# Altium PCB TC264Main.PcbDoc (continued)
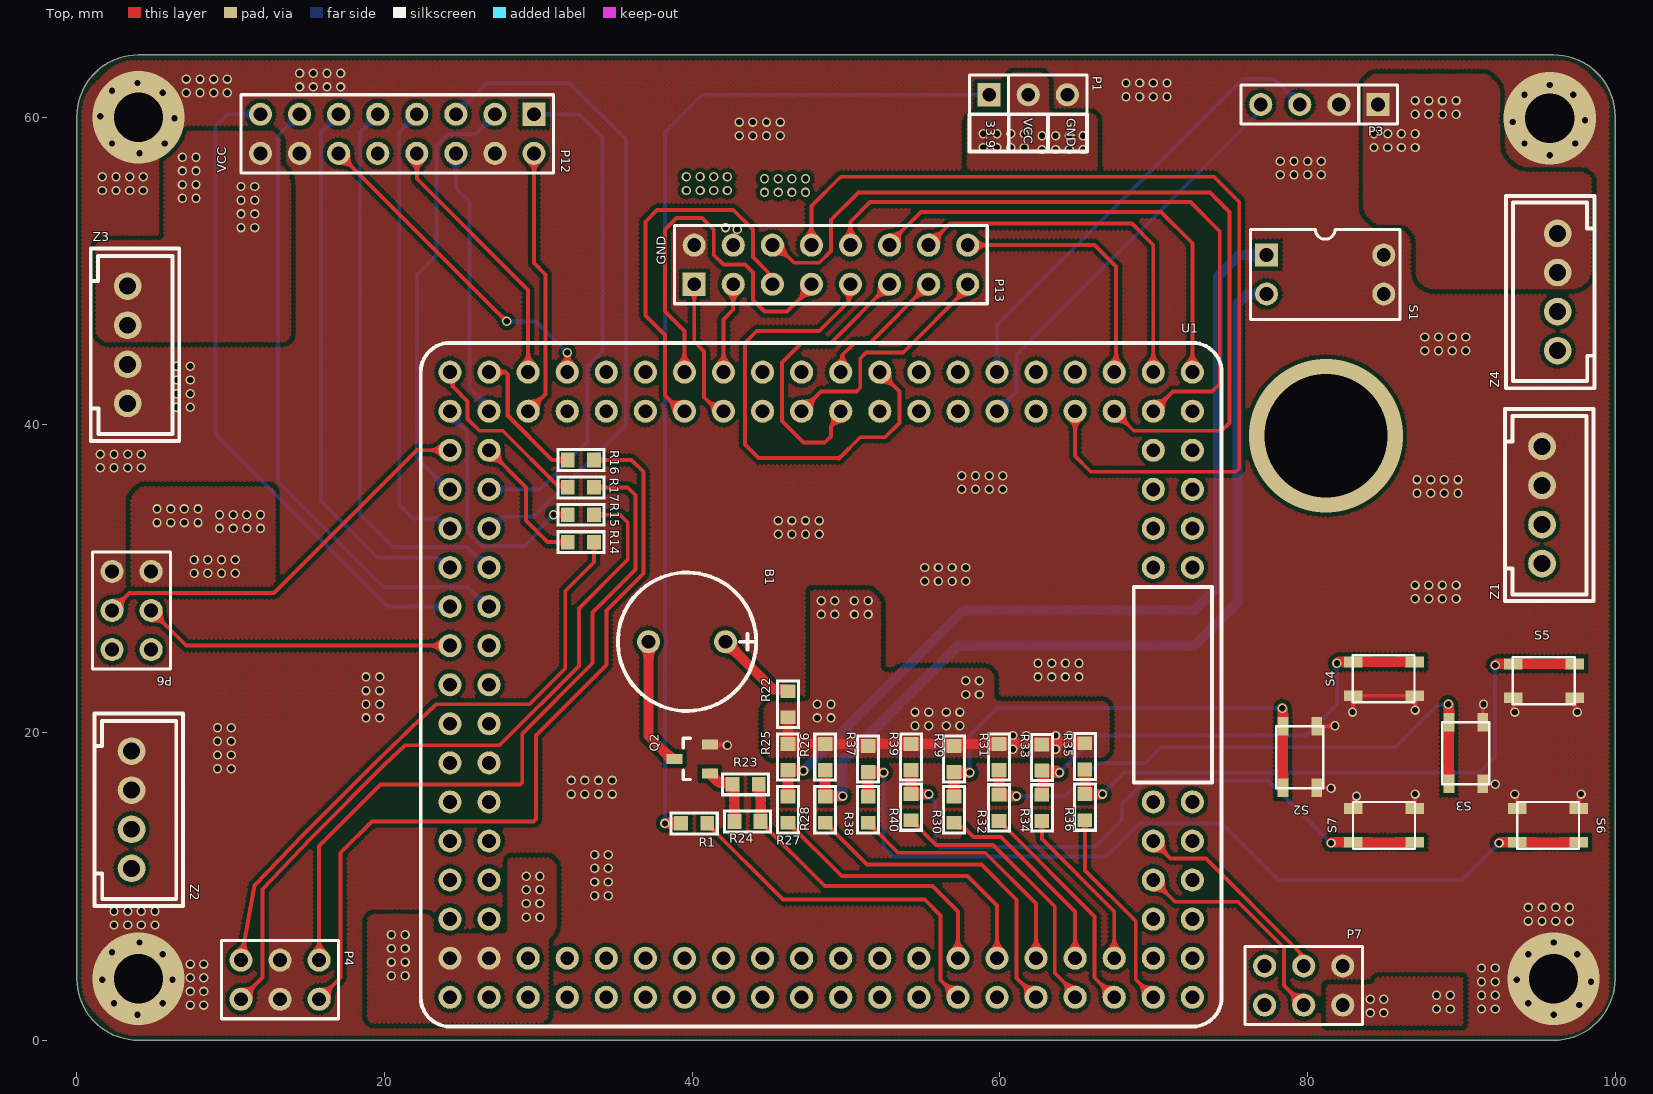
[diagram p0: Top view]
## Nets (pads, with @x,y where several pads share a name; then routed paths per layer and width w, separated by ;. In a path a pad name is that pad's centre, name@x,y a point inside that pad or via, vN(x,y) a via of type N, cw(c..) or ccw(c..) an arc to the next point about the centre after c; other vN are vias at no path point) (continued)
3V3_CAM: P12.16 Z3.1 Z3.2
  other v1: 10.668,52.832 11.557,52.832 10.668,53.721 11.557,53.721 10.668,54.61 11.557,54.61 6.858,54.737 7.747,54.737 10.668,55.499 11.557,55.499 6.858,55.626 7.747,55.626 6.858,56.515 7.747,56.515 6.858,57.404 7.747,57.404
3V3_MCU: U1.2 U1.4 Z2.3 Z2.4
  other v1: 20.447,4.191 21.336,4.191 20.447,5.08 21.336,5.08 20.447,5.969 21.336,5.969 20.447,6.858 21.336,6.858 29.21,8.001 30.099,8.001 29.21,8.89 30.099,8.89 29.21,9.779 30.099,9.779 29.21,10.668 30.099,10.668
5V: P3.1 Z4.3 Z4.4
  other v1: 84.328,58.039 85.217,58.039 86.106,58.039 86.995,58.039 84.328,58.928 85.217,58.928 86.106,58.928 86.995,58.928 86.995,60.198 87.884,60.198 88.773,60.198 89.662,60.198 86.995,61.087 87.884,61.087 88.773,61.087 89.662,61.087
5V_Ser: P1.2 Z4.1 Z4.2
  other v1: 62.738,57.912 63.627,57.912 64.516,57.912 65.405,57.912 58.928,58.039 59.817,58.039 60.706,58.039 61.595,58.039 62.738,58.801 63.627,58.801 64.516,58.801 65.405,58.801 58.928,58.928 59.817,58.928 60.706,58.928 61.595,58.928
10.2: U1.86
10.5: U1.88
10.6: U1.89
11.9: P13.1 U1.81 | length 9.3
  Top w0.254: P13.1 40.132,45.408 40.767,44.773 40.767,41.805 41.08,41.492 41.102,41.492 41.7,40.894 U1.81
11.10: P13.3 U1.82 | length 6
  Top w0.254: U1.82 42.037,46.863 42.672,47.498 P13.3
11.11: P13.5 U1.83 | length 25.4
  Top w0.254: U1.83 39.243,40.894 38.227,41.91 38.227,45.847 36.957,47.117 36.957,53.213 37.719,53.975 42.672,53.975 43.942,52.705 43.942,50.927 44.974,49.895 44.974,49.387 P13.5
11.12: P13.7 U1.84 | length 25
  Top w0.254: U1.84 39.497,46.101 38.227,47.371 38.227,52.705 38.989,53.467 40.64,53.467 41.402,52.705 41.402,51.054 42.037,50.419 43.434,50.419 43.942,49.911 43.942,48.133 44.704,47.371 46.17,47.371 47.752,48.953 P13.7
13.0: P13.9 U1.74 | length 30.8
  Top w0.254: P13.9 50.177,49.034 50.177,48.018 48.26,46.101 44.196,46.101 43.434,45.339 43.434,38.735 44.323,37.846 49.53,37.846 49.552,37.824 50.927,39.199 52.534,39.199 53.467,40.132 53.467,42.164 U1.74
13.1: P13.11 U1.75 | length 18.7
  Top w0.254: U1.75 49.657,40.571 49.019,39.933 49.019,39.262 48.619,38.862 47.244,38.862 45.847,40.259 45.847,44.069 47.117,45.339 49.022,45.339 P13.11
13.2: P13.13 U1.76 | length 8.7
  Top w0.254: U1.76 49.772,43.549 49.772,44.565 50.546,45.339 51.562,45.339 P13.13
13.3: P13.15 U1.77 | length 15.5
  Top w0.254: U1.77 48.387,42.164 50.673,42.164 50.927,42.418 50.927,44.323 51.308,44.704 53.721,44.704 57.912,48.895 P13.15
14.0: P3.4 U1.67 | length 27
  Bottom w0.254: U1.67 61.087,42.164 61.087,44.577 76.607,60.097 76.607,60.141 76.962,60.496 P3.4
14.1: P3.3 U1.68 | length 30
  Bottom w0.254: U1.68 59.817,46.482 75.819,62.484 77.851,62.484 P3.3
15.0: P13.12 U1.58 | length 29.9
  Top w0.254: P13.12 52.832,51.816 54.864,53.848 70.485,53.848 72.517,51.816 U1.58
15.1: P13.10 U1.59 | length 41.8
  Top w0.254: P13.10 50.292,53.213 51.562,54.483 72.39,54.483 74.295,52.578 74.295,42.672 73.787,42.164 71.247,42.164 U1.59
15.2: P13.14 U1.60 | length 24
  Top w0.254: P13.14 56.769,53.086 68.58,53.086 69.977,51.689 U1.60
15.3: P13.6 U1.61 | length 55.7
  Top w0.254: P13.6 45.466,51.689 46.609,50.546 48.26,50.546 49.022,51.308 49.022,53.34 50.8,55.118 73.66,55.118 74.93,53.848 74.93,40.132 74.422,39.624 68.707,39.624 U1.61
15.4: P13.16 U1.62 | length 17.1
  Top w0.254: P13.16 66.167,51.689 67.564,50.292 67.564,43.561 U1.62
15.5: P13.8 U1.63 | length 63.2
  Top w0.254: P13.8 47.752,54.229 49.657,56.134 73.914,56.134 75.565,54.483 75.565,37.211 75.311,36.957 65.913,36.957 64.897,37.973 U1.63
20.0: P7.3 U1.44 | length 14.6
  Top w0.254: U1.44 71.386,9.005 75.494,9.005 78.486,6.013 78.486,3.556 P7.3
20.3: P7.4 U1.46 | length 13.5
  Top w0.254: U1.46 71.108,11.823 73.394,11.823 79.528,5.689 79.528,5.054 P7.4
21.5: U1.41
22.0: R30.2 U1.34 | length 13.3
  Top w0.254: R30.2 57.33,13.829 57.672,13.829 58.293,13.208 60.071,13.208 64.897,8.382 U1.34
22.1: R32.2 U1.35 | length 14.6
  Top w0.254: R32.2 59.969,14.263 60.292,13.94 60.292,13.915 66.167,8.04 66.167,4.064 U1.35
22.2: R34.2 U1.36 | length 10.9
  Top w0.254: R34.2 62.738,13.081 67.437,8.382 U1.36
22.3: R36.2 U1.37 | length 13.3
  Top w0.254: R36.2 65.532,11.049 68.834,7.747 68.834,3.937 U1.37
23.1: R40.2 U1.33 | length 18.1
  Top w0.254: R40.2 54.254,14.302 55.856,12.7 59.563,12.7 63.571,8.692 63.571,4.374 64.897,3.048 U1.33
32.4: R38.2 U1.32 | length 16.7
  Top w0.254: R38.2 51.46,14.136 51.783,13.813 51.783,13.796 53.387,12.192 59.055,12.192 62.357,8.89 U1.32
33.9: R1.1 U1.27 | length 23.4
  Top w0.254: R1.1 40.982,14.072 45.91,9.144 55.118,9.144 56.146,8.116 56.146,3.925 U1.27
33.10: R23.1 R24.1 U1.28 | length 20.8
  Top w0.254: R24.1 44.45,14.199 48.616,10.033 55.626,10.033 57.277,8.382 U1.28
  Top w0.65: R23.1 44.323,16.612 44.45,16.485 R24.1
33.12: R27.2 U1.30 | length 19.2
  Top w0.254: R27.2 46.253,14.136 49.721,10.668 57.912,10.668 59.817,8.763 U1.30
33.13: R28.2 U1.31 | length 21.4
  Top w0.254: R28.2 48.666,14.136 51.372,11.43 58.801,11.43 61.095,9.136 61.095,4.056 U1.31
GND: P1.3 P3.2 P4.3 P4.4 P6.6 P7.6 P12.4 P12.14 P13.2 Q2.2 S1.3 S1.4 S2.1 S3.1 S4.1 S5.1 S6.1 S7.1 U1.1 U1.3 Z1.1 Z1.2 Z2.1 Z2.2 Z3.3 Z3.4 | length 23.5
  Top w0.254: v1(2.286,58.293) 2.293,58.293 v2(4,60) ; v1(2.286,61.722) 2.286,61.714 v2(4,60) ; v1(5.715,58.293) 4.008,60 v2(4,60) ; Q2.2 41.185,19.208 42.26,19.208 v1(42.291,19.177) ; S2.1@80.602,16.415 81.457,16.415 cw(c81.457,16.306) v1(81.534,16.383) ; S2.1@80.602,20.415 81.711,20.415 ccw(c81.711,20.524) v1(81.788,20.447) ; v1(82.931,21.336) ccw(c82.854,21.413) 82.963,21.413 82.963,22.395 86.963,22.395 cw(c86.886,22.318) 86.995,22.318 v1(86.995,21.463) ; S7.1@82.963,15.07 82.963,15.339 cw(c83.721,15.339) v1(83.185,15.875) ; S7.1@86.963,15.07 86.963,15.925 cw(c87.072,15.925) v1(86.995,16.002) ; S3.1@91.397,20.669 91.397,21.74 cw(c91.544,21.74) v1(91.44,21.844) ; S5.1@93.377,22.268 93.377,21.565 ccw(c93.701,21.565) v1(93.472,21.336) ; v1(93.472,16.002) cw(c93.088,15.618) 93.631,15.618 S6.1@93.631,15.07 ; S5.1@97.377,22.268 97.377,21.72 ccw(c97.92,21.72) v1(97.536,21.336) ; S6.1@97.631,15.07 97.631,15.618 cw(c98.174,15.618) v1(97.79,16.002)
  other v1: 3.937,1.651 96.012,1.651 91.313,2.032 92.202,2.032 7.366,2.286 8.255,2.286 97.663,2.286 2.413,2.413 5.588,2.413 94.361,2.413 91.313,2.921 92.202,2.921 7.366,3.175 8.255,3.175 91.313,3.81 92.202,3.81 98.425,3.81 1.651,3.937 6.223,3.937 93.599,3.937 7.366,4.064 8.255,4.064 91.313,4.699 92.202,4.699 7.366,4.953 8.255,4.953 5.588,5.588 94.361,5.588 97.536,5.588 2.286,5.715 4.064,6.35 96.012,6.35 2.413,7.493 3.302,7.493 4.191,7.493 5.08,7.493 94.361,7.747 95.25,7.747 96.139,7.747 97.028,7.747 2.413,8.382 3.302,8.382 4.191,8.382 5.08,8.382 94.361,8.636 95.25,8.636 96.139,8.636 97.028,8.636 33.655,9.398 34.544,9.398 33.655,10.287 34.544,10.287 33.655,11.176 34.544,11.176 33.655,12.065 34.544,12.065 32.131,16.002 33.02,16.002 33.909,16.002 34.798,16.002 92.202,16.637 32.131,16.891 33.02,16.891 33.909,16.891 34.798,16.891 9.144,17.653 10.033,17.653 9.144,18.542 10.033,18.542 9.144,19.431 10.033,19.431 9.144,20.32 10.033,20.32 18.796,20.955 19.685,20.955 18.796,21.844 19.685,21.844 18.796,22.733 19.685,22.733 18.796,23.622 19.685,23.622 62.484,23.622 63.373,23.622 64.262,23.622 65.151,23.622 62.484,24.511 63.373,24.511 64.262,24.511 65.151,24.511 86.995,28.702 87.884,28.702 88.773,28.702 89.662,28.702 86.995,29.591 87.884,29.591 88.773,29.591 89.662,29.591 55.118,29.845 56.007,29.845 56.896,29.845 57.785,29.845 55.118,30.734 56.007,30.734 56.896,30.734 57.785,30.734 45.593,32.893 46.482,32.893 47.371,32.893 48.26,32.893 45.593,33.782 46.482,33.782 47.371,33.782 48.26,33.782 87.122,35.56 88.011,35.56 88.9,35.56 89.789,35.56 57.531,35.814 58.42,35.814 59.309,35.814 60.198,35.814 87.122,36.449 88.011,36.449 88.9,36.449 89.789,36.449 57.531,36.703 58.42,36.703 59.309,36.703 60.198,36.703 1.524,37.211 2.413,37.211 3.302,37.211 4.191,37.211 1.524,38.1 2.413,38.1 3.302,38.1 4.191,38.1 6.477,41.148 7.366,41.148 6.477,42.037 7.366,42.037 6.477,42.926 7.366,42.926 6.477,43.815 7.366,43.815 87.63,44.831 88.519,44.831 89.408,44.831 90.297,44.831 87.63,45.72 88.519,45.72 89.408,45.72 90.297,45.72 1.651,55.245 2.54,55.245 3.429,55.245 4.318,55.245 1.651,56.134 2.54,56.134 3.429,56.134 4.318,56.134 78.232,56.261 79.121,56.261 80.01,56.261 80.899,56.261 78.232,57.15 79.121,57.15 80.01,57.15 80.899,57.15 95.758,57.531 4.064,57.658 94.107,58.293 97.409,58.293 43.053,58.801 43.942,58.801 44.831,58.801 45.72,58.801 43.053,59.69 43.942,59.69 44.831,59.69 45.72,59.69 93.345,59.69 98.044,59.817 6.35,59.944 1.524,60.071 68.199,61.341 69.088,61.341 69.977,61.341 70.866,61.341 94.107,61.468 97.282,61.468 5.588,61.595 7.112,61.595 8.001,61.595 8.89,61.595 9.779,61.595 14.478,61.976 15.367,61.976 16.256,61.976 17.145,61.976 95.758,62.103 3.937,62.23 68.199,62.23 69.088,62.23 69.977,62.23 70.866,62.23 7.112,62.484 8.001,62.484 8.89,62.484 9.779,62.484 14.478,62.865 15.367,62.865 16.256,62.865 17.145,62.865
  other v2: 4,4 96,4 95.758,59.937
NetB1_1: B1.1 R22.2 | length 5.4
  Top w0.65: B1.1 45.253,22.819 46.103,22.819 R22.2
NetB1_2: B1.2 Q2.3 | length 8.4
  Top w0.65: B1.2 37.164,19.779 38.655,18.288 Q2.3
NetP1_1: P1.1 R1.2 | length 68.3
  Top w0.65: v1(38.227,14.097) R1.2
  Bottom w0.254: v1(38.227,14.097) 38.227,25.522 ccw(c37.164,25.908) 38.227,26.294 38.227,58.547 38.227,59.055 40.64,61.468 P1.1 P1.1@59.182,61.595
NetP4_1: P4.1 R17.2 | length 47
  Top w0.254: P4.1 15.748,12.635 19.75,16.637 28.807,16.637 28.956,16.786 28.956,19.939 33.528,24.511 33.528,27.813 36.322,30.607 36.322,35.433 35.814,35.941 R17.2
NetP4_2: P4.2 R16.2 | length 52.7
  Top w0.254: P4.2 17.145,4.064 17.145,12.192 19.177,14.224 29.696,14.224 29.845,14.373 29.845,19.812 34.417,24.384 34.417,27.94 36.83,30.353 36.83,36.957 36.068,37.719 R16.2
NetP4_5: P4.5 R14.1 | length 40
  Top w0.254: P4.5 11.555,10.051 14.732,13.375 19.783,18.426 21.764,20.323 23.282,21.774 23.356,21.844 29.424,21.844 31.75,24.17 31.75,29.21 33.616,31.076 R14.1
NetP4_6: P4.6 R15.1 | length 47.4
  Top w0.254: P4.6 12.077,4.076 12.077,9.813 15.24,13.164 19.993,17.918 21.336,19.177 27.476,19.177 32.639,24.34 32.639,28.067 35.814,31.242 35.814,33.655 35.306,34.163 R15.1
NetQ2_1: Q2.1 R23.2 R24.2 | length 4.3
  Top w0.65: Q2.1 41.355,17.338 41.355,17.138 41.738,16.755 42.505,16.755 R23.2 42.623,16.612 42.75,16.485 R24.2
NetR25_2: R25.2 R27.1 S1.1 | length 58.6
  Top w0.65: R27.1 46.228,17.48 R25.2@46.274,17.526 ; R25.2 46.267,17.526 R25.2@46.274,17.526 ; v1(47.244,17.526) R25.2@46.274,17.526
  Bottom w0.65: v1(47.244,17.526) 57.658,27.94 72.644,27.94 74.168,29.464 74.168,49.657 75.565,51.054 S1.1
NetR26_2: R26.2 R28.1 S1.2 | length 56.7
  Top w0.65: R28.1 R28.1@48.68,15.875 ; R26.2 48.641,15.875 R28.1@48.68,15.875 ; v1(49.784,15.875) R28.1@48.68,15.875
  Bottom w0.65: v1(49.784,15.875) 49.784,18.161 57.277,25.654 72.644,25.654 75.438,28.448 75.438,47.879 76.073,48.514 S1.2
NetR29_2: R29.2 R30.1 S2.2 | length 31.3
  Top w0.65: R30.1 57.023,17.399 R29.2@57.062,17.399 ; R29.2 R29.2@57.062,17.399 ; v1(58.039,17.399) R29.2@57.062,17.399 ; v1(78.359,21.59) 78.402,21.547 78.402,20.415 S2.2@78.402,16.415
  Bottom w0.254: v1(58.039,17.399) 58.039,19.812 59.817,21.59 v1(78.359,21.59)
NetR31_2: R31.2 R32.1 S3.2 | length 38.5
  Top w0.65: R31.2 R32.1 60.032,15.875 v1(61.087,15.875) ; v1(89.154,21.844) 89.197,21.801 89.197,20.669 S3.2@89.197,16.669
  Bottom w0.254: v1(61.087,15.875) 64.247,15.875 66.406,18.034 69.469,18.034 70.485,19.05 85.725,19.05 88.468,21.793 89.103,21.793 v1(89.154,21.844)
NetR33_2: R33.2 R34.1 S4.2 | length 31.3
  Top w0.65: R34.1 62.763,15.963 62.888,16.088 62.888,17.399 v1(63.881,17.399) 63.775,17.505 62.759,17.505 R33.2 ; v1(81.915,24.511) 81.999,24.595 82.963,24.595 S4.2@86.963,24.595
  Bottom w0.254: v1(63.881,17.399) 66.294,19.812 79.883,19.812 81.915,21.844 v1(81.915,24.511)
NetR35_2: R35.2 R36.1 S5.2 | length 40.5
  Top w0.65: R35.2 R36.1 v1(66.675,16.002) ; v1(92.202,24.384) 92.286,24.468 93.377,24.468 S5.2@97.377,24.468
  Bottom w0.254: v1(66.675,16.002) 68.072,17.399 91.186,17.399 92.202,18.415 v1(92.202,24.384)
NetR37_2: R37.2 R38.1 S6.2 | length 56.3
  Top w0.65: R38.1 51.435,17.399 R37.2@51.474,17.399 ; R37.2 R37.2@51.474,17.399 ; v1(52.451,17.399) R37.2@51.474,17.399 ; v1(92.456,12.827) 92.499,12.87 93.631,12.87 S6.2@97.631,12.87
  Bottom w0.254: v1(52.451,17.399) 52.451,12.573 53.086,11.938 66.929,11.938 69.076,14.085 74.434,14.085 78.105,10.414 90.043,10.414 v1(92.456,12.827)
NetR39_2: R39.2 R40.1 S7.2 | length 41.4
  Top w0.65: R39.2 R40.1 v1(55.372,16.002) ; v1(81.534,12.827) 81.577,12.87 82.963,12.87 S7.2@86.963,12.87
  Bottom w0.254: v1(55.372,16.002) 55.372,15.906 55.799,15.479 55.799,12.803 56.029,12.573 66.167,12.573 67.945,14.351 67.945,15.367 69.469,16.891 77.47,16.891 v1(81.534,12.827)
pads on no net: P6.1 P6.2 P7.1 P7.2 P12.10 U1.5 U1.6 U1.7 U1.8 U1.9 U1.10 U1.11 U1.12 U1.13 U1.14 U1.15 U1.16 U1.17 U1.18 U1.19 U1.20 U1.21 U1.22 U1.23 U1.24 U1.25 U1.26 U1.29 U1.38 U1.39 U1.40 U1.42 U1.43 U1.45 U1.47 U1.48 U1.49 U1.50 U1.51 U1.52 U1.53 U1.54 U1.55 U1.56 U1.57 U1.64 U1.65 U1.66 U1.69 U1.70 U1.71 U1.72 U1.73 U1.78 U1.79 U1.80 U1.85 U1.87 U1.107 U1.109 U1.110 U1.111 U1.112 U1.113 U1.114 U1.115 U1.116 U1.117 U1.118 U1.119 U1.120 U1.121 U1.122
copper on no net:
  other v3: 81.2,39.3

## Polygon pours and split planes (outlines as drawn)
GND on Top "GND_L01_P013" (hatched 45Degree grid 0.203 track 0.203, remove dead copper, pour order 13): 1.923,62.883 cw(c3.719,61.087) 3.719,63.627 96.357,63.627 cw(c96.357,61.087) 98.153,62.883 98.824,62.212 cw(c97.028,60.416) 99.568,60.416 99.568,3.465 cw(c97.028,3.465) 98.824,1.669 98.28,1.125 cw(c96.484,2.921) 96.484,0.381 3.719,0.381 cw(c3.719,2.921) 1.923,1.125 1.125,1.923 cw(c2.921,3.719) 0.381,3.719 0.381,60.289 cw(c2.921,60.289) 1.125,62.085
3V3 on Top "3V3_L01_P011" (hatched 45Degree grid 0.203 track 0.203, remove dead copper, pour order 11): 47.752,29.21 47.752,22.405 cw(c47.318,22.405) 47.625,22.098 cw(c47.318,22.405) 47.318,21.971 45.265,21.971 ccw(c45.265,21.537) 44.958,21.844 44.794,21.68 ccw(c45.011,21.463) 44.704,21.463 44.704,18.976 ccw(c45.138,18.976) 44.831,18.669 44.995,18.505 ccw(c45.212,18.722) 45.212,18.415 66.495,18.415 ccw(c66.495,18.849) 66.802,18.542 66.966,18.706 ccw(c66.749,18.923) 67.056,18.923 67.056,21.537 ccw(c66.622,21.537) 66.929,21.844 ccw(c66.622,21.537) 66.622,21.971 59.997,21.971 cw(c59.997,22.405) 59.69,22.098 cw(c59.997,22.405) 59.563,22.405 59.563,23.569 ccw(c59.129,23.569) 59.436,23.876 59.272,24.04 ccw(c59.055,23.823) 59.055,24.13 53.647,24.13 ccw(c53.647,23.696) 53.34,24.003 53.303,23.966 cw(c53.086,24.183) 53.086,23.876 52.631,23.876 cw(c52.631,24.31) 52.324,24.003 52.287,24.04 cw(c52.504,24.257) 52.197,24.257 52.197,28.395 ccw(c51.763,28.395) 52.07,28.702 51.652,29.12 ccw(c51.435,28.903) 51.435,29.21
3V3_MCU on Top "3V3_MCU_L01_P001" (hatched 45Degree grid 0.203 track 0.203, remove dead copper, pour order 1): 28.194,11.811 28.157,11.774 ccw(c28.374,11.557) 28.067,11.557 28.067,7.292 cw(c27.633,7.292) 27.94,6.985 cw(c27.633,7.292) 27.633,6.858 23.548,6.858 cw(c23.548,7.292) 23.241,6.985 23.204,7.022 cw(c23.421,7.239) 23.114,7.239 23.114,7.694 ccw(c22.68,7.694) 22.987,8.001 ccw(c22.68,7.694) 22.68,8.128 19.357,8.128 ccw(c19.357,7.694) 19.05,8.001 ccw(c19.357,7.694) 18.923,7.694 18.923,1.577 ccw(c19.357,1.577) 19.05,1.27 ccw(c19.357,1.577) 19.357,1.143 30.046,1.143 ccw(c30.046,1.577) 30.353,1.27 30.517,1.434 ccw(c30.3,1.651) 30.607,1.651 30.607,6.424 cw(c31.041,6.424) 30.734,6.731 30.756,6.753 ccw(c29.889,7.62) 31.115,7.62 31.115,11.25 ccw(c30.681,11.25) 30.988,11.557 30.824,11.721 ccw(c30.607,11.504) 30.607,11.811
3V3_CAM on Top "3V3_CAM_L01_P003" (hatched 45Degree grid 0.203 track 0.203, remove dead copper, pour order 3): 6.276,59.055 ccw(c6.276,58.621) 5.969,58.928 5.895,58.854 ccw(c6.328,58.42) 5.715,58.42 5.715,52.377 cw(c5.281,52.377) 5.588,52.07 cw(c5.281,52.377) 5.281,51.943 1.704,51.943 ccw(c1.704,51.509) 1.397,51.816 ccw(c1.704,51.509) 1.27,51.509 1.27,46.154 ccw(c1.704,46.154) 1.397,45.847 1.688,45.556 ccw(c1.905,45.773) 1.905,45.466 13.409,45.466 ccw(c13.409,45.9) 13.716,45.593 ccw(c13.409,45.9) 13.843,45.9 13.843,55.543 ccw(c12.109,55.543) 13.335,56.769 cw(c13.642,57.076) 13.208,57.076 13.208,58.42 ccw(c12.901,58.42) 13.118,58.637 12.79,58.965 ccw(c12.573,58.748) 12.573,59.055
3V3 on Top "3V3_L01_P012" (hatched 45Degree grid 0.203 track 0.203, remove dead copper, pour order 12): 81.28,3.556 84.074,3.556 ccw(c84.074,3.863) 84.291,3.646 84.365,3.72 ccw(c84.148,3.937) 84.455,3.937 84.492,3.974 cw(c84.709,3.757) 84.709,4.064 90.043,4.064 90.043,1.016 81.28,1.016
5V_Ser on Top "5V_SER_L01_P009" (hatched 45Degree grid 0.203 track 0.203, remove dead copper, pour order 9): 61.013,62.865 ccw(c61.013,62.431) 60.706,62.738 ccw(c61.013,62.431) 60.579,62.431 60.579,60.505 cw(c60.145,60.505) 60.452,60.198 60.415,60.161 cw(c60.198,60.378) 60.198,60.071 58.346,60.071 ccw(c58.346,59.637) 58.039,59.944 ccw(c58.346,59.637) 57.912,59.637 57.912,56.949 ccw(c58.346,56.949) 58.039,56.642 58.203,56.478 ccw(c58.42,56.695) 58.42,56.388 65.86,56.388 ccw(c65.86,56.822) 66.167,56.515 66.204,56.552 ccw(c65.987,56.769) 66.294,56.769 66.294,59.764 ccw(c65.86,59.764) 66.167,60.071 ccw(c65.86,59.764) 65.86,60.198 63.553,60.198 cw(c63.553,60.632) 63.246,60.325 cw(c63.553,60.632) 63.119,60.632 63.119,62.304 ccw(c62.685,62.304) 62.992,62.611 62.828,62.775 ccw(c62.611,62.558) 62.611,62.865
5V on Top "5V_L01_P007" (hatched 45Degree grid 0.203 track 0.203, remove dead copper, pour order 7): 84.381,62.738 ccw(c84.381,62.304) 84.074,62.611 83.783,62.32 ccw(c84,62.103) 83.693,62.103 83.693,54.207 ccw(c84.56,54.207) 83.947,53.594 84.275,53.266 ccw(c84.709,53.699) 84.709,53.086 86.001,53.086 cw(c86.001,52.219) 86.614,52.832 86.763,52.683 cw(c85.896,51.816) 87.122,51.816 87.122,49.889 ccw(c87.989,49.889) 87.376,49.276 ccw(c88.296,50.196) 88.296,48.895 97.124,48.895 ccw(c97.124,50.196) 98.044,49.276 ccw(c97.124,50.196) 98.425,50.196 98.425,55.827 ccw(c97.991,55.827) 98.298,56.134 ccw(c97.685,55.521) 97.685,56.388 94.317,56.388 cw(c94.317,58.122) 93.091,56.896 92.905,57.082 cw(c93.989,58.166) 92.456,58.166 92.456,61.617 ccw(c91.589,61.617) 92.202,62.23 91.784,62.648 ccw(c91.567,62.431) 91.567,62.738
3V3 on Top "3V3_L01_P002" (hatched 45Degree grid 0.203 track 0.203, remove dead copper, pour order 2): 3.556,29.718 ccw(c3.863,29.718) 3.646,29.501 3.81,29.337 ccw(c4.117,29.644) 4.117,29.21 12.266,29.21 ccw(c12.266,29.644) 12.573,29.337 12.737,29.501 ccw(c12.52,29.718) 12.827,29.718 12.827,35.56 ccw(c12.52,35.56) 12.737,35.777 12.663,35.851 ccw(c12.446,35.634) 12.446,35.941 4.371,35.941 ccw(c4.371,35.507) 4.064,35.814 3.736,35.486 ccw(c4.169,35.052) 3.556,35.052
GND on Bottom "GND_L04_P014" (hatched 45Degree grid 0.203 track 0.203, remove dead copper, pour order 14): 1.923,63.137 cw(c3.719,61.341) 3.719,63.881 96.357,63.881 cw(c96.357,61.341) 98.153,63.137 98.951,62.339 cw(c97.155,60.543) 99.695,60.543 99.695,3.338 cw(c97.155,3.338) 98.951,1.542 98.407,0.998 cw(c96.611,2.794) 96.611,0.254 3.465,0.254 cw(c3.465,2.794) 1.669,0.998 0.871,1.796 cw(c2.667,3.592) 0.127,3.592 0.127,60.289 cw(c2.667,60.289) 0.871,62.085
3V3 on Bottom "3V3_L04_P004" (hatched 45Degree grid 0.203 track 0.203, remove dead copper, pour order 4): 39.497,57.404 48.08,57.404 cw(c48.08,56.97) 48.387,57.277 48.424,57.24 cw(c48.207,57.023) 48.514,57.023 48.514,53.266 cw(c48.08,53.266) 48.387,52.959 cw(c48.08,53.266) 48.08,52.832 44.63,52.832 ccw(c44.63,52.398) 44.323,52.705 ccw(c44.63,52.398) 44.196,52.398 44.196,50.726 cw(c43.762,50.726) 44.069,50.419 cw(c43.762,50.726) 43.762,50.292 41.709,50.292 cw(c41.709,50.726) 41.402,50.419 cw(c41.709,50.726) 41.275,50.726 41.275,52.779 ccw(c40.841,52.779) 41.148,53.086 ccw(c40.535,52.473) 40.535,53.34 39.169,53.34 cw(c39.169,53.774) 38.862,53.467 cw(c39.169,53.774) 38.735,53.774 38.735,56.716 cw(c39.169,56.716) 38.862,57.023 39.063,57.224 cw(c39.497,56.791)
GND on PWR (split plane): 450 vertices, not listed, extent 0.51,0.51 97.105,63.549
3V3 on PWR (split plane): 155 vertices, not listed, extent 3.811,0.89 98.551,63.245
3V3_CAM on PWR (split plane): 32.026,62.601 32.173,62.572 32.314,62.524 32.448,62.458 32.573,62.375 32.685,62.276 32.784,62.164 32.867,62.039 32.933,61.905 32.981,61.764 33.01,61.617 33.019,61.477 33.018,61.468 33.018,37.846 33.019,37.837 33.01,37.697 32.981,37.55 32.933,37.409 32.867,37.275 32.784,37.15 32.685,37.038 32.573,36.939 32.448,36.856 32.314,36.79 32.173,36.742 32.026,36.713 31.886,36.704 31.877,36.705 7.62,36.705 7.611,36.704 7.471,36.713 7.324,36.742 7.183,36.79 7.049,36.856 6.924,36.939 6.812,37.038 6.713,37.15 6.63,37.275 6.564,37.409 6.516,37.55 6.487,37.697 6.478,37.837 6.479,37.846 6.479,42.926 6.479,43.942 6.479,43.944 6.47,44.099 6.444,44.253 6.401,44.404 6.341,44.549 6.265,44.686 6.174,44.814 6.069,44.931 5.952,45.036 5.824,45.127 5.687,45.203 5.542,45.263 5.391,45.306 5.237,45.332 5.082,45.341 5.08,45.341 2.032,45.341 2.023,45.34 1.883,45.349 1.736,45.378 1.595,45.426 1.461,45.492 1.336,45.575 1.224,45.674 1.125,45.786 1.042,45.911 0.976,46.045 0.928,46.186 0.899,46.333 0.89,46.473 0.891,46.482 0.891,61.468 0.89,61.477 0.899,61.617 0.914,61.693 1.092,62.002 1.371,62.365 1.467,62.461 1.595,62.524 1.736,62.572 1.883,62.601 2.023,62.61 2.032,62.609 31.877,62.609 31.886,62.61
3V3_MCU on PWR (split plane): 34.058,21.453 34.205,21.424 34.346,21.376 34.48,21.31 34.605,21.227 34.717,21.128 34.816,21.016 34.899,20.891 34.965,20.757 35.013,20.616 35.042,20.469 35.051,20.329 35.05,20.32 35.05,2.159 35.051,2.15 35.042,2.01 35.013,1.863 34.965,1.722 34.899,1.588 34.816,1.463 34.717,1.351 34.605,1.252 34.48,1.169 34.346,1.103 34.205,1.055 34.058,1.026 33.918,1.017 33.909,1.018 2.413,1.018 2.404,1.017 2.264,1.026 2.124,1.054 2.057,1.092 1.694,1.371 1.371,1.694 1.37,1.695 1.357,1.722 1.309,1.863 1.28,2.01 1.271,2.15 1.272,2.159 1.272,13.208 1.272,13.716 1.271,13.725 1.28,13.865 1.309,14.012 1.357,14.153 1.423,14.287 1.506,14.412 1.605,14.524 1.717,14.623 1.842,14.706 1.976,14.772 2.117,14.82 2.264,14.849 2.404,14.858 2.413,14.857 5.334,14.857 5.336,14.857 5.491,14.866 5.645,14.892 5.796,14.935 5.941,14.995 6.078,15.071 6.206,15.162 6.323,15.267 6.428,15.384 6.519,15.512 6.595,15.649 6.655,15.794 6.698,15.945 6.724,16.099 6.733,16.254 6.733,16.256 6.733,20.32 6.732,20.329 6.741,20.469 6.77,20.616 6.818,20.757 6.884,20.891 6.967,21.016 7.066,21.128 7.178,21.227 7.303,21.31 7.437,21.376 7.578,21.424 7.725,21.453 7.865,21.462 7.874,21.461 33.909,21.461 33.918,21.462
no net on PWR (split plane): 56.014,36.165 56.04,36.011 56.083,35.86 56.143,35.715 56.219,35.578 56.31,35.45 56.415,35.333 56.532,35.228 56.66,35.137 56.797,35.061 56.942,35.001 57.093,34.958 57.247,34.932 57.32,34.927 57.15,34.927 57.141,34.926 57.001,34.935 56.854,34.964 56.713,35.012 56.579,35.078 56.454,35.161 56.342,35.26 56.243,35.372 56.16,35.497 56.094,35.631 56.046,35.772 56.017,35.919 56.008,36.059 56.009,36.068 56.009,36.238
no net on PWR (split plane): 98.908,62.002 99.136,61.606 99.311,61.183 99.43,60.741 99.49,60.288 99.49,60.059 99.49,60.033 99.49,4 99.49,3.771 99.43,3.318 99.311,2.876 99.136,2.453 98.908,2.057 98.802,1.919 98.808,2.03 98.808,2.032 98.808,33.528 98.808,33.53 98.799,33.685 98.773,33.839 98.73,33.99 98.67,34.135 98.594,34.272 98.503,34.4 98.398,34.517 98.281,34.622 98.153,34.713 98.016,34.789 97.871,34.849 97.72,34.892 97.566,34.918 97.411,34.927 97.409,34.927 90.965,34.927 91.038,34.932 91.193,34.958 91.343,35.001 91.488,35.061 91.626,35.137 91.754,35.228 91.871,35.333 91.975,35.45 92.066,35.578 92.142,35.715 92.202,35.86 92.245,36.011 92.272,36.165 92.28,36.32 92.281,36.322 92.281,40.259 92.279,40.268 92.288,40.408 92.317,40.555 92.365,40.696 92.432,40.83 92.515,40.955 92.613,41.067 92.726,41.166 92.85,41.249 92.984,41.315 93.126,41.363 93.272,41.392 93.412,41.401 93.421,41.4 97.409,41.4 97.411,41.4 97.566,41.409 97.72,41.435 97.871,41.478 98.016,41.538 98.153,41.614 98.281,41.705 98.398,41.81 98.503,41.927 98.594,42.055 98.67,42.192 98.73,42.337 98.773,42.488 98.799,42.642 98.808,42.797 98.808,42.799 98.808,47.244 98.808,47.246 98.799,47.401 98.773,47.555 98.73,47.706 98.67,47.851 98.594,47.988 98.503,48.116 98.398,48.233 98.281,48.338 98.153,48.429 98.016,48.505 97.871,48.565 97.827,48.578 97.871,48.59 98.016,48.65 98.153,48.726 98.281,48.817 98.398,48.922 98.503,49.039 98.594,49.167 98.67,49.304 98.73,49.449 98.773,49.6 98.799,49.754 98.808,49.909 98.808,49.911 98.808,61.976 98.808,61.978 98.799,62.133 98.797,62.146
5V on PWR (split plane): 97.558,63.109 97.705,63.08 97.806,63.046 97.943,62.967 98.292,62.699 98.316,62.672 98.399,62.547 98.465,62.413 98.513,62.272 98.542,62.125 98.551,61.985 98.55,61.976 98.55,49.911 98.551,49.902 98.542,49.762 98.513,49.615 98.465,49.474 98.399,49.34 98.316,49.215 98.217,49.103 98.105,49.004 97.98,48.921 97.846,48.855 97.705,48.807 97.558,48.778 97.418,48.769 97.409,48.77 88.138,48.77 88.129,48.769 87.989,48.778 87.842,48.807 87.701,48.855 87.567,48.921 87.442,49.004 87.33,49.103 87.231,49.215 87.148,49.34 87.082,49.474 87.034,49.615 87.005,49.762 86.996,49.902 86.997,49.911 86.997,51.562 86.997,51.564 86.988,51.719 86.962,51.873 86.919,52.024 86.859,52.169 86.783,52.306 86.692,52.434 86.587,52.551 86.47,52.656 86.342,52.747 86.205,52.823 86.06,52.883 85.909,52.926 85.755,52.952 85.6,52.961 85.598,52.961 84.709,52.961 84.7,52.96 84.56,52.969 84.413,52.998 84.272,53.046 84.138,53.112 84.013,53.195 83.901,53.294 83.802,53.406 83.719,53.531 83.653,53.665 83.605,53.806 83.576,53.953 83.567,54.093 83.568,54.102 83.568,60.706 83.568,61.976 83.567,61.985 83.576,62.125 83.605,62.272 83.653,62.413 83.719,62.547 83.802,62.672 83.901,62.784 84.013,62.883 84.138,62.966 84.272,63.032 84.413,63.08 84.56,63.109 84.7,63.118 84.709,63.117 97.409,63.117 97.418,63.118
5V_Ser on PWR (split plane): 153 vertices, not listed, extent 56.262,35.18 98.551,63.245
GND on GND (split plane): 96,63.549 96.229,63.549 96.682,63.489 97.124,63.37 97.547,63.195 97.943,62.967 98.306,62.688 98.629,62.365 98.908,62.002 99.136,61.606 99.311,61.183 99.43,60.741 99.49,60.288 99.49,60.059 99.49,60.033 99.49,4 99.49,3.771 99.43,3.318 99.311,2.876 99.136,2.453 98.908,2.057 98.629,1.694 98.306,1.371 97.943,1.092 97.547,0.864 97.124,0.689 96.682,0.57 96.229,0.51 96,0.51 4,0.51 3.771,0.51 3.318,0.57 2.876,0.689 2.453,0.864 2.057,1.092 1.694,1.371 1.371,1.694 1.092,2.057 0.864,2.453 0.689,2.876 0.57,3.318 0.51,3.771 0.51,4 0.51,60.059 0.51,60.288 0.57,60.741 0.689,61.183 0.864,61.606 1.092,62.002 1.371,62.365 1.694,62.688 2.057,62.967 2.453,63.195 2.876,63.37 3.318,63.489 3.771,63.549 4,63.549

## Other copper
PWR (plane layer: these items are gaps in the copper):
  lines w0.254: 0.762,46.482 ccw(c2.032,46.482) 2.032,45.212 5.08,45.212 cw(c5.08,43.942) 6.35,43.942 6.35,42.926 6.35,37.846 ccw(c7.62,37.846) 7.62,36.576 31.877,36.576 ccw(c31.877,37.846) 33.147,37.846 33.147,61.468 ccw(c31.877,61.468) 31.877,62.738 2.032,62.738 ccw(c2.032,61.468) 0.762,61.468 0.762,46.482 ; 1.143,2.159 ccw(c2.413,2.159) 2.413,0.889 33.909,0.889 ccw(c33.909,2.159) 35.179,2.159 35.179,20.32 ccw(c33.909,20.32) 33.909,21.59 7.874,21.59 ccw(c7.874,20.32) 6.604,20.32 6.604,16.256 cw(c5.334,16.256) 5.334,14.986 2.413,14.986 ccw(c2.413,13.716) 1.143,13.716 1.143,13.208 1.143,2.159 ; 3.683,23.368 ccw(c4.953,23.368) 4.953,22.098 34.29,22.098 cw(c34.29,20.828) 35.56,20.828 35.56,2.032 ccw(c36.83,2.032) 36.83,0.762 97.409,0.762 ccw(c97.409,2.032) 98.679,2.032 98.679,33.528 ccw(c97.409,33.528) 97.409,34.798 57.15,34.798 cw(c57.15,36.068) 55.88,36.068 55.88,62.103 ccw(c54.61,62.103) 54.61,63.373 34.798,63.373 ccw(c34.798,62.103) 33.528,62.103 33.528,37.465 cw(c32.258,37.465) 32.258,36.195 4.953,36.195 ccw(c4.953,34.925) 3.683,34.925 3.683,34.417 3.683,23.368 ; 56.134,36.322 ccw(c57.404,36.322) 57.404,35.052 90.881,35.052 ccw(c90.881,36.322) 92.151,36.322 92.151,40.259 cw(c93.421,40.259) 93.421,41.529 97.409,41.529 ccw(c97.409,42.799) 98.679,42.799 98.679,47.244 ccw(c97.409,47.244) 97.409,48.514 88.646,48.514 ccw(c88.646,47.371) 87.503,47.371 cw(c86.868,47.371) 86.868,46.736 84.328,46.736 cw(c84.328,48.006) 83.058,48.006 83.058,62.103 ccw(c81.788,62.103) 81.788,63.373 57.404,63.373 ccw(c57.404,62.103) 56.134,62.103 56.134,58.42 56.134,36.322 ; 83.439,54.102 ccw(c84.709,54.102) 84.709,52.832 85.598,52.832 cw(c85.598,51.562) 86.868,51.562 86.868,49.911 ccw(c88.138,49.911) 88.138,48.641 97.409,48.641 ccw(c97.409,49.911) 98.679,49.911 98.679,61.976 ccw(c97.409,61.976) 97.409,63.246 84.709,63.246 ccw(c84.709,61.976) 83.439,61.976 83.439,60.706 83.439,54.102

## Silkscreen, mask and mechanical layers (free items; w line width, h text height)
Top Overlay:
  lines w0.254: 63.119,60.198 63.119,57.785 60.579,57.785 60.579,60.198 58.039,60.198 58.039,57.785 65.659,57.785 ; 65.659,57.912 65.659,60.198
  text "VCC" at 61.352,59.944 h1 r270
  text "GND" at 64.146,59.944 h1 r270
  text "33.9" at 58.939,59.817 h1 r270
  text "VCC" at 9.895,56.388 h1 r90
  text "GND" at 38.47,50.419 h1 r90
Top Solder:
  text "队伍名:" at 13.456,37.212 h1.52 r90
  text "队伍成员:" at 15.234,37.212 h1.52 r90
  text "鲍其麟，孙梦弱，贾富钱" at 17.007,37.211 h1.52 r90
Mechanical 1:
  lines w0.254: 0,4 ccw(c4,4) 4,0 96,0 ccw(c96,4) 100,4 99.941,60.067 ccw(c96.008,60.067) 96.008,64 4.06,64.06 ccw(c4.06,60) 0,60 0,4